# Allegro board SG2042_EVB_V1_1.brd (continued)
## Routing (per net, layer and track width the routed paths; a pad name or vN(x,y) marks a point on that pad's centre or on a via; arc(x,y) is an arc through that point) (continued)
  ART10 w0.406: H16.1 183.69,151.86 177.18,151.86 173.37,148.05 158.64,148.05 149.54,138.95 149.54,134.94 ; 126.41,135.36 126.41,138.95 117.08,148.29 102.34,148.29 99.9,150.73 97.16,150.73
  GND11 w0.254: 198.76,61.71 J2.265 ; J2.265 198.1,62.37 ; J2.265 198.76,63.03 ; J2.265 199.42,62.37 ; 205.96,149.26 J1.24 ; J1.24 205.3,149.92 ; J1.24 205.96,150.58 ; J1.24 206.62,149.92 ; J10.8 227.38,238.48 ; J10.8 226.44,237.54 ; J10.8 228.32,237.54 ; J10.8 227.38,236.6 ; 76.52,81.92 J4.98 ; J4.98 77.84,81.92 ; J4.98 77.18,81.26 ; J4.98 77.18,82.58 ; J10.20 242.62,238.48 ; J10.20 242.62,236.6 ; J10.20 243.56,237.54 ; J10.20 241.68,237.54 ; 76.52,66.62 J4.116 ; J4.116 77.18,65.96 ; J4.116 77.18,67.28 ; J4.116 77.84,66.62 ; 65.52,53.87 J3.131 ; J3.131 66.18,53.21 ; J3.131 66.85,53.87 ; J3.131 66.18,54.53 ; J2.243 198.76,81.73 ; J2.243 198.76,80.41 ; J2.243 198.1,81.07 ; J2.243 199.42,81.07 ; J4.147 80.04,167.77 ; J4.147 79.38,167.11 ; J4.147 78.72,167.77 ; J4.147 79.38,168.43 ; 78.72,81.07 J4.243 ; J4.243 79.38,81.73 ; J4.243 79.38,80.41 ; J4.243 80.04,81.07 ; 299.69,151.97 J13.17 ; J13.17 300.63,151.03 ; J13.17 300.63,152.91 ; J13.17 301.57,151.97 ; J3.120 68.45,63.22 ; J3.120 67.78,62.56 ; J3.120 67.12,63.22 ; J3.120 67.78,63.88 ; 69.32,82.77 J3.241 ; J3.241 70.65,82.77 ; J3.241 69.98,82.11 ; J3.241 69.98,83.43 ; 198.76,163.71 J2.151 ; J2.151 198.1,164.37 ; J2.151 199.42,164.37 ; J2.151 198.76,165.03 ; J2.149 199.42,166.07 ; J2.149 198.76,165.41 ; J2.149 198.1,166.07 ; J2.149 198.76,166.73 ; 200.36,139.06 J2.180 ; J2.180 200.36,140.38 ; J2.180 201.02,139.72 ; J2.180 199.7,139.72 ; J1.193 208.82,128.67 ; J1.193 207.5,128.67 ; J1.193 208.16,128.01 ; J1.193 208.16,129.33 ; 77.18,166.26 J4.4 ; J4.4 76.52,166.92 ; J4.4 77.18,167.58 ; J4.4 77.84,166.92 ; J3.263 69.98,64.73 ; J3.263 69.98,63.41 ; J3.263 69.32,64.07 ; J3.263 70.65,64.07 ; J3.189 70.65,132.07 ; J3.189 69.98,131.41 ; J3.189 69.98,132.73 ; J3.189 69.32,132.07 ; 80.98,142.46 J4.176 ; J4.176 81.64,143.12 ; J4.176 80.98,143.78 ; J4.176 80.32,143.12 ; J4.189 79.38,132.73 ; J4.189 78.72,132.07 ; J4.189 80.04,132.07 ; J4.189 79.38,131.41 ; 203.7,142.27 J1.33 ; J1.33 204.36,141.61 ; J1.33 205.02,142.27 ; J1.33 204.36,142.93 ; J2.120 197.22,63.22 ; J2.120 195.9,63.22 ; J2.120 196.56,63.88 ; J2.120 196.56,62.56 ; ATXPWR1.24 110.82,233.82 ; ATXPWR1.24 109.36,235.28 ; ATXPWR1.24 109.36,232.35 ; ATXPWR1.24 107.9,233.82 ; J2.198 200.36,125.08 ; J2.198 200.36,123.76 ; J2.198 199.7,124.42 ; J2.198 201.02,124.42 ; J3.103 66.18,78.33 ; J3.103 65.52,77.67 ; J3.103 66.18,77.01 ; J3.103 66.85,77.67 ; J2.138 196.56,48.58 ; J2.138 195.9,47.92 ; J2.138 197.22,47.92 ; J2.138 196.56,47.26 ; 128.76,222.61 SW201.2 ; SW201.2 129.54,219.98 ; SW201.2 129.54,225.23 ; SW201.2 130.32,222.61 ; J1.243 208.16,81.73 ; J1.243 208.16,80.41 ; J1.243 207.5,81.07 ; J1.243 208.82,81.07 ; 69.32,128.67 J3.193 ; J3.193 70.65,128.67 ; J3.193 69.98,128.01 ; J3.193 69.98,129.33 ; 196.01,237.54 J11.14 ; J11.14 197.89,237.54 ; J11.14 196.95,238.48 ; J11.14 196.95,236.6 ; 71.58,122.06 J3.200 ; J3.200 72.25,122.72 ; J3.200 70.92,122.72 ; J3.200 71.58,123.38 ; J13.16 299.03,149.43 ; J13.16 298.09,150.37 ; J13.16 298.09,148.49 ; J13.16 297.15,149.43 ; 204.36,139.91 J1.35 ; J1.35 204.36,141.23 ; J1.35 203.7,140.57 ; J1.35 205.02,140.57 ; 196.56,67.66 J2.114 ; J2.114 197.22,68.32 ; J2.114 195.9,68.32 ; J2.114 196.56,68.98 ; J3.2 68.45,168.62 ; J3.2 67.12,168.62 ; J3.2 67.78,167.96 ; J3.2 67.78,169.28 ; J2.53 195.62,125.27 ; J2.53 194.3,125.27 ; J2.53 194.96,125.93 ; J2.53 194.96,124.61 ; J4.109 76.24,72.57 ; J4.109 75.58,71.91 ; J4.109 74.92,72.57 ; J4.109 75.58,73.23 ; J2.147 199.42,167.77 ; J2.147 198.76,167.11 ; J2.147 198.76,168.43 ; J2.147 198.1,167.77 ; J4.261 80.04,65.77 ; J4.261 79.38,65.11 ; J4.261 79.38,66.43 ; J4.261 78.72,65.77 ; J1.162 210.42,155.02 ; J1.162 209.1,155.02 ; J1.162 209.76,154.36 ; J1.162 209.76,155.68 ; J1.241 208.82,82.77 ; J1.241 208.16,82.11 ; J1.241 208.16,83.43 ; J1.241 207.5,82.77 ; 209.76,161.16 J1.154 ; J1.154 210.42,161.82 ; J1.154 209.1,161.82 ; J1.154 209.76,162.48 ; J4.9 76.24,162.67 ; J4.9 75.58,162.01 ; J4.9 75.58,163.33 ; J4.9 74.92,162.67 ; 80.32,75.12 J4.250 ; J4.250 80.98,75.78 ; J4.250 80.98,74.46 ; J4.250 81.64,75.12 ; 67.78,65.96 J3.116 ; J3.116 67.78,67.28 ; J3.116 67.12,66.62 ; J3.116 68.45,66.62 ; J4.274 80.98,55.38 ; J4.274 80.98,54.06 ; J4.274 81.64,54.72 ; J4.274 80.32,54.72 ; 69.98,61.71 J3.265 ; J3.265 69.32,62.37 ; J3.265 70.65,62.37 ; J3.265 69.98,63.03 ; J2.257 199.42,69.17 ; J2.257 198.76,69.83 ; J2.257 198.1,69.17 ; J2.257 198.76,68.51 ; ATXPWR1.19 88.36,235.28 ; ATXPWR1.19 89.82,233.82 ; ATXPWR1.19 86.9,233.82 ; ATXPWR1.19 88.36,232.35 ; J3.24 67.78,150.58 ; J3.24 67.12,149.92 ; J3.24 67.78,149.26 ; J3.24 68.45,149.92 ; J3.125 66.85,58.97 ; J3.125 66.18,58.31 ; J3.125 65.52,58.97 ; J3.125 66.18,59.63 ; J2.276 200.36,53.68 ; J2.276 199.7,53.02 ; J2.276 200.36,52.36 ; J2.276 201.02,53.02 ; J10.14 235,238.48 ; J10.14 235.94,237.54 ; J10.14 234.06,237.54 ; J10.14 235,236.6 ; 67.78,145.86 J3.28 ; J3.28 67.78,147.18 ; J3.28 68.45,146.52 ; J3.28 67.12,146.52 ; J1.22 206.62,151.62 ; J1.22 205.3,151.62 ; J1.22 205.96,150.96 ; J1.22 205.96,152.28 ; 205.96,64.26 J1.118 ; J1.118 205.96,65.58 ; J1.118 206.62,64.92 ; J1.118 205.3,64.92 ; 67.78,147.56 J3.26 ; J3.26 68.45,148.22 ; J3.26 67.78,148.88 ; J3.26 67.12,148.22 ; J4.105 76.24,75.97 ; J4.105 75.58,76.63 ; J4.105 75.58,75.31 ; J4.105 74.92,75.97 ; 71.58,71.06 J3.254 ; J3.254 72.25,71.72 ; J3.254 70.92,71.72 ; J3.254 71.58,72.38 ; 155.4,237.54 156.34,237.54 ; 156.34,237.54 157.28,237.54 ; 156.34,237.54 156.34,236.6 ; 156.34,237.54 156.34,238.48 ; 205.3,165.22 J1.6 ; J1.6 205.96,165.88 ; J1.6 205.96,164.56 ; J1.6 206.62,165.22 ; J2.136 196.56,50.28 ; J2.136 197.22,49.62 ; J2.136 195.9,49.62 ; J2.136 196.56,48.96 ; 236.6,237.54 J10.16 ; J10.16 237.54,238.48 ; J10.16 237.54,236.6 ; J10.16 238.48,237.54 ; 194.3,157.57 J2.15 ; J2.15 195.62,157.57 ; J2.15 194.96,158.23 ; J2.15 194.96,156.91 ; J1.180 210.42,139.72 ; J1.180 209.76,140.38 ; J1.180 209.76,139.06 ; J1.180 209.1,139.72 ; 208.16,61.71 J1.265 ; J1.265 208.16,63.03 ; J1.265 208.82,62.37 ; J1.265 207.5,62.37 ; 80.98,154.36 J4.162 ; J4.162 81.64,155.02 ; J4.162 80.32,155.02 ; J4.162 80.98,155.68 ; J3.50 67.78,128.48 ; J3.50 67.12,127.82 ; J3.50 68.45,127.82 ; J3.50 67.78,127.16 ; J1.283 208.82,47.07 ; J1.283 207.5,47.07 ; J1.283 208.16,47.73 ; J1.283 208.16,46.41 ; J3.257 69.98,69.83 ; J3.257 69.32,69.17 ; J3.257 70.65,69.17 ; J3.257 69.98,68.51 ; J2.187 198.76,134.43 ; J2.187 199.42,133.77 ; J2.187 198.76,133.11 ; J2.187 198.1,133.77 ; J2.191 199.42,130.37 ; J2.191 198.1,130.37 ; J2.191 198.76,129.71 ; J2.191 198.76,131.03 ; 160.48,237.54 J12.16 ; J12.16 161.42,236.6 ; J12.16 161.42,238.48 ; J12.16 162.36,237.54 ; J2007.24 300.69,199.49 ; J2007.24 300.69,197.61 ; J2007.24 299.74,198.55 ; J2007.24 301.63,198.55 ; 198.76,66.81 J2.259 ; J2.259 198.1,67.47 ; J2.259 199.42,67.47 ; J2.259 198.76,68.13 ; J2.107 195.62,74.27 ; J2.107 194.96,73.61 ; J2.107 194.3,74.27 ; J2.107 194.96,74.93 ; 69.32,147.37 J3.171 ; J3.171 69.98,146.71 ; J3.171 70.65,147.37 ; J3.171 69.98,148.03 ; J2.44 197.22,132.92 ; J2.44 196.56,132.26 ; J2.44 195.9,132.92 ; J2.44 196.56,133.58 ; J3.198 72.25,124.42 ; J3.198 70.92,124.42 ; J3.198 71.58,125.08 ; J3.198 71.58,123.76 ; 209.76,137.36 J1.182 ; J1.182 209.1,138.02 ; J1.182 209.76,138.68 ; J1.182 210.42,138.02 ; 65.52,140.57 J3.35 ; J3.35 66.85,140.57 ; J3.35 66.18,141.23 ; J3.35 66.18,139.91 ; 79.38,163.71 J4.151 ; J4.151 78.72,164.37 ; J4.151 80.04,164.37 ; J4.151 79.38,165.03 ; 65.52,121.87 J3.57 ; J3.57 66.18,121.21 ; J3.57 66.18,122.53 ; J3.57 66.85,121.87 ; 74.92,55.57 J4.129 ; J4.129 75.58,56.23 ; J4.129 75.58,54.91 ; J4.129 76.24,55.57 ; 300.69,210.31 J2007.14 ; J2007.14 299.74,211.25 ; J2007.14 301.63,211.25 ; J2007.14 300.69,212.19 ; 77.18,133.96 J4.42 ; J4.42 77.18,135.28 ; J4.42 77.84,134.62 ; J4.42 76.52,134.62 ; 194.3,77.67 J2.103 ; J2.103 194.96,78.33 ; J2.103 194.96,77.01 ; J2.103 195.62,77.67 ; J1.31 205.02,143.97 ; J1.31 204.36,143.31 ; J1.31 204.36,144.63 ; J1.31 203.7,143.97 ; 200.36,74.46 J2.250 ; J2.250 199.7,75.12 ; J2.250 200.36,75.78 ; J2.250 201.02,75.12 ; 67.12,85.32 J3.94 ; J3.94 68.45,85.32 ; J3.94 67.78,85.98 ; J3.94 67.78,84.66 ; 204.36,124.61 J1.53 ; J1.53 203.7,125.27 ; J1.53 204.36,125.93 ; J1.53 205.02,125.27 ; J4.167 80.04,150.77 ; J4.167 78.72,150.77 ; J4.167 79.38,151.43 ; J4.167 79.38,150.11 ; 297.15,144.35 J13.12 ; J13.12 298.09,143.41 ; J13.12 299.03,144.35 ; J13.12 298.09,145.29 ; 67.78,150.96 J3.22 ; J3.22 68.45,151.62 ; J3.22 67.12,151.62 ; J3.22 67.78,152.28 ; J1.160 209.76,157.38 ; J1.160 209.76,156.06 ; J1.160 210.42,156.72 ; J1.160 209.1,156.72 ; J1.134 205.96,51.98 ; J1.134 205.96,50.66 ; J1.134 206.62,51.32 ; J1.134 205.3,51.32 ; 196.56,84.66 J2.94 ; J2.94 196.56,85.98 ; J2.94 195.9,85.32 ; J2.94 197.22,85.32 ; J2.131 195.62,53.87 ; J2.131 194.3,53.87 ; J2.131 194.96,53.21 ; J2.131 194.96,54.53 ; 195.9,134.62 J2.42 ; J2.42 196.56,133.96 ; J2.42 196.56,135.28 ; J2.42 197.22,134.62 ; 74.92,160.97 J4.11 ; J4.11 75.58,161.63 ; J4.11 75.58,160.31 ; J4.11 76.24,160.97 ; 194.3,143.97 J2.31 ; J2.31 194.96,143.31 ; J2.31 195.62,143.97 ; J2.31 194.96,144.63 ; J2.156 200.36,160.78 ; J2.156 201.02,160.12 ; J2.156 200.36,159.46 ; J2.156 199.7,160.12 ; J1.20 206.62,153.32 ; J1.20 205.3,153.32 ; J1.20 205.96,152.66 ; J1.20 205.96,153.98 ; J3.138 68.45,47.92 ; J3.138 67.12,47.92 ; J3.138 67.78,47.26 ; J3.138 67.78,48.58 ; 223.42,209.24 J2014.4 ; J2014.4 222.48,210.19 ; J2014.4 224.36,210.19 ; J2014.4 223.42,211.13 ; J4.169 80.04,149.07 ; J4.169 79.38,148.41 ; J4.169 79.38,149.73 ; J4.169 78.72,149.07 ; 71.58,74.46 J3.250 ; J3.250 70.92,75.12 ; J3.250 71.58,75.78 ; J3.250 72.25,75.12 ; 75.58,139.91 J4.35 ; J4.35 74.92,140.57 ; J4.35 76.24,140.57 ; J4.35 75.58,141.23 ; 203.63,237.54 J11.20 ; J11.20 204.57,238.48 ; J11.20 205.51,237.54 ; J11.20 204.57,236.6 ; 66.18,54.91 J3.129 ; J3.129 65.52,55.57 ; J3.129 66.18,56.23 ; J3.129 66.85,55.57 ; 205.3,168.62 J1.2 ; J1.2 205.96,169.28 ; J1.2 205.96,167.96 ; J1.2 206.62,168.62 ; J3.53 66.18,125.93 ; J3.53 65.52,125.27 ; J3.53 66.85,125.27 ; J3.53 66.18,124.61 ; J3.270 72.25,58.12 ; J3.270 71.58,57.46 ; J3.270 70.92,58.12 ; J3.270 71.58,58.78 ; 79.38,48.11 J4.281 ; J4.281 80.04,48.77 ; J4.281 78.72,48.77 ; J4.281 79.38,49.43 ; J4.193 80.04,128.67 ; J4.193 78.72,128.67 ; J4.193 79.38,129.33 ; J4.193 79.38,128.01 ; J1.98 206.62,81.92 ; J1.98 205.3,81.92 ; J1.98 205.96,82.58 ; J1.98 205.96,81.26 ; 199.7,78.52 J2.246 ; J2.246 201.02,78.52 ; J2.246 200.36,77.86 ; J2.246 200.36,79.18 ; J12.18 163.96,238.48 ; J12.18 164.9,237.54 ; J12.18 163.02,237.54 ; J12.18 163.96,236.6 ; J2.105 194.96,76.63 ; J2.105 194.96,75.31 ; J2.105 194.3,75.97 ; J2.105 195.62,75.97 ; J2020.23 5.18,165.66 ; J2020.23 4.24,166.6 ; J2020.23 3.3,165.66 ; J2020.23 4.24,164.72 ; J1.156 210.42,160.12 ; J1.156 209.76,159.46 ; J1.156 209.76,160.78 ; J1.156 209.1,160.12 ; J3.274 72.25,54.72 ; J3.274 71.58,55.38 ; J3.274 71.58,54.06 ; J3.274 70.92,54.72 ; 80.32,160.12 J4.156 ; J4.156 80.98,159.46 ; J4.156 81.64,160.12 ; J4.156 80.98,160.78 ; 69.32,47.07 J3.283 ; J3.283 69.98,47.73 ; J3.283 70.65,47.07 ; J3.283 69.98,46.41 ; 204.36,160.31 J1.11 ; J1.11 205.02,160.97 ; J1.11 204.36,161.63 ; J1.11 203.7,160.97 ; 300.63,158.65 J13.23 ; J13.23 299.69,159.59 ; J13.23 300.63,160.53 ; J13.23 301.57,159.59 ; J10.12 233.4,237.54 ; J10.12 231.52,237.54 ; J10.12 232.46,236.6 ; J10.12 232.46,238.48 ; 70.92,136.32 J3.184 ; J3.184 72.25,136.32 ; J3.184 71.58,135.66 ; J3.184 71.58,136.98 ; 74.92,138.87 J4.37 ; J4.37 75.58,138.21 ; J4.37 76.24,138.87 ; J4.37 75.58,139.53 ; 200.36,72.76 J2.252 ; J2.252 201.02,73.42 ; J2.252 200.36,74.08 ; J2.252 199.7,73.42 ; J2.28 197.22,146.52 ; J2.28 196.56,147.18 ; J2.28 196.56,145.86 ; J2.28 195.9,146.52 ; 74.92,155.87 J4.17 ; J4.17 75.58,155.21 ; J4.17 76.24,155.87 ; J4.17 75.58,156.53 ; J3.165 70.65,152.47 ; J3.165 69.32,152.47 ; J3.165 69.98,153.13 ; J3.165 69.98,151.81 ; J3.276 71.58,53.68 ; J3.276 72.25,53.02 ; J3.276 70.92,53.02 ; J3.276 71.58,52.36 ; 209.76,142.46 J1.176 ; J1.176 209.1,143.12 ; J1.176 209.76,143.78 ; J1.176 210.42,143.12 ; J4.39 76.24,137.17 ; J4.39 75.58,137.83 ; J4.39 75.58,136.51 ; J4.39 74.92,137.17 ; 186.79,236.6 J11.6 ; J11.6 185.85,237.54 ; J11.6 186.79,238.48 ; J11.6 187.73,237.54 ; 75.58,77.01 J4.103 ; J4.103 74.92,77.67 ; J4.103 75.58,78.33 ; J4.103 76.24,77.67 ; J2.202 201.02,121.02 ; J2.202 200.36,121.68 ; J2.202 200.36,120.36 ; J2.202 199.7,121.02 ; 245.66,164.96 J2016.16 ; J2016.16 246.6,165.9 ; J2016.16 246.6,164.02 ; J2016.16 247.54,164.96 ; 194.96,139.91 J2.35 ; J2.35 194.3,140.57 ; J2.35 194.96,141.23 ; J2.35 195.62,140.57 ; J1.109 205.02,72.57 ; J1.109 204.36,71.91 ; J1.109 204.36,73.23 ; J1.109 203.7,72.57 ; 300.63,153.57 J13.19 ; J13.19 299.69,154.51 ; J13.19 300.63,155.45 ; J13.19 301.57,154.51 ; J2.6 197.22,165.22 ; J2.6 196.56,164.56 ; J2.6 195.9,165.22 ; J2.6 196.56,165.88 ; J1.123 205.02,60.67 ; J1.123 204.36,61.33 ; J1.123 204.36,60.01 ; J1.123 203.7,60.67 ; J4.165 80.04,152.47 ; J4.165 79.38,153.13 ; J4.165 79.38,151.81 ; J4.165 78.72,152.47 ; 207.5,149.07 J1.169 ; J1.169 208.82,149.07 ; J1.169 208.16,149.73 ; J1.169 208.16,148.41 ; 204.36,54.91 J1.129 ; J1.129 205.02,55.57 ; J1.129 204.36,56.23 ; J1.129 203.7,55.57 ; 146.18,237.54 146.18,238.48 ; 146.18,237.54 147.12,237.54 ; 146.18,237.54 146.18,236.6 ; 146.18,237.54 145.24,237.54 ; J3.167 69.98,151.43 ; J3.167 69.98,150.11 ; J3.167 69.32,150.77 ; J3.167 70.65,150.77 ; 196.56,64.26 J2.118 ; J2.118 197.22,64.92 ; J2.118 196.56,65.58 ; J2.118 195.9,64.92 ; J2008.1 178.4,6.35 ; J2008.1 176.34,6.35 ; J2008.1 177.37,7.37 ; J2008.1 177.37,5.32 ; 196.56,149.26 J2.24 ; J2.24 196.56,150.58 ; J2.24 197.22,149.92 ; J2.24 195.9,149.92 ; J3.39 66.85,137.17 ; J3.39 66.18,136.51 ; J3.39 65.52,137.17 ; J3.39 66.18,137.83 ; J2.160 200.36,157.38 ; J2.160 199.7,156.72 ; J2.160 200.36,156.06 ; J2.160 201.02,156.72 ; 200.36,140.76 J2.178 ; J2.178 201.02,141.42 ; J2.178 199.7,141.42 ; J2.178 200.36,142.08 ; J3.149 70.65,166.07 ; J3.149 69.32,166.07 ; J3.149 69.98,165.41 ; J3.149 69.98,166.73 ; 194.41,236.6 J11.12 ; J11.12 195.35,237.54 ; J11.12 193.47,237.54 ; J11.12 194.41,238.48 ; J14.23 298.09,165.99 ; J14.23 299.03,165.05 ; J14.23 298.09,164.11 ; J14.23 297.15,165.05 ; 77.18,64.26 J4.118 ; J4.118 77.18,65.58 ; J4.118 77.84,64.92 ; J4.118 76.52,64.92 ; 67.78,48.96 J3.136 ; J3.136 67.12,49.62 ; J3.136 67.78,50.28 ; J3.136 68.45,49.62 ; J4.283 80.04,47.07 ; J4.283 79.38,47.73 ; J4.283 79.38,46.41 ; J4.283 78.72,47.07 ; J3.160 72.25,156.72 ; J3.160 71.58,156.06 ; J3.160 70.92,156.72 ; J3.160 71.58,157.38 ; J2006.7 260.61,242.37 ; J2006.7 259.2,242.37 ; J2006.7 259.91,241.12 ; J2.274 201.02,54.72 ; J2.274 199.7,54.72 ; J2.274 200.36,54.06 ; J2.274 200.36,55.38 ; J1.250 210.42,75.12 ; J1.250 209.1,75.12 ; J1.250 209.76,75.78 ; J1.250 209.76,74.46 ; 208.16,150.11 J1.167 ; J1.167 207.5,150.77 ; J1.167 208.82,150.77 ; J1.167 208.16,151.43 ; J3.268 71.58,60.48 ; J3.268 72.25,59.82 ; J3.268 71.58,59.16 ; J3.268 70.92,59.82 ; J2007.23 299.09,198.55 ; J2007.23 298.15,199.49 ; J2007.23 297.2,198.55 ; J2007.23 298.15,197.61 ; J4.195 79.38,127.63 ; J4.195 78.72,126.97 ; J4.195 80.04,126.97 ; J4.195 79.38,126.31 ; 79.38,145.01 J4.173 ; J4.173 79.38,146.33 ; J4.173 78.72,145.67 ; J4.173 80.04,145.67 ; J2.248 201.02,76.82 ; J2.248 199.7,76.82 ; J2.248 200.36,77.48 ; J2.248 200.36,76.16 ; J3.96 68.45,83.62 ; J3.96 67.12,83.62 ; J3.96 67.78,84.28 ; J3.96 67.78,82.96 ; J14.24 301.57,165.05 ; J14.24 299.69,165.05 ; J14.24 300.63,164.11 ; J14.24 300.63,165.99 ; J4.15 76.24,157.57 ; J4.15 75.58,158.23 ; J4.15 75.58,156.91 ; J4.15 74.92,157.57 ; J4.241 80.04,82.77 ; J4.241 79.38,83.43 ; J4.241 78.72,82.77 ; J4.241 79.38,82.11 ; 65.52,60.67 J3.123 ; J3.123 66.18,60.01 ; J3.123 66.18,61.33 ; J3.123 66.85,60.67 ; J2.33 194.96,142.93 ; J2.33 194.3,142.27 ; J2.33 194.96,141.61 ; J2.33 195.62,142.27 ; 65.52,143.97 J3.31 ; J3.31 66.18,144.63 ; J3.31 66.85,143.97 ; J3.31 66.18,143.31 ; J4.123 76.24,60.67 ; J4.123 75.58,61.33 ; J4.123 75.58,60.01 ; J4.123 74.92,60.67 ; J1.131 205.02,53.87 ; J1.131 204.36,53.21 ; J1.131 203.7,53.87 ; J1.131 204.36,54.53 ; 276.91,189.51 J2005.2 ; J2005.2 275.97,190.45 ; J2005.2 277.85,190.45 ; J2005.2 276.91,191.39 ; 67.78,67.66 J3.114 ; J3.114 68.45,68.32 ; J3.114 67.12,68.32 ; J3.114 67.78,68.98 ; J2.127 195.62,57.27 ; J2.127 194.3,57.27 ; J2.127 194.96,57.93 ; J2.127 194.96,56.61 ; J1.42 205.96,135.28 ; J1.42 205.3,134.62 ; J1.42 206.62,134.62 ; J1.42 205.96,133.96 ; 189.33,236.6 J11.8 ; J11.8 190.27,237.54 ; J11.8 188.39,237.54 ; J11.8 189.33,238.48 ; 66.18,156.91 J3.15 ; J3.15 66.18,158.23 ; J3.15 65.52,157.57 ; J3.15 66.85,157.57 ; J1.57 205.02,121.87 ; J1.57 204.36,122.53 ; J1.57 204.36,121.21 ; J1.57 203.7,121.87 ; J4.272 81.64,56.42 ; J4.272 80.98,57.08 ; J4.272 80.32,56.42 ; J4.272 80.98,55.76 ; J2.109 194.96,73.23 ; J2.109 195.62,72.57 ; J2.109 194.3,72.57 ; J2.109 194.96,71.91 ; 74.92,125.27 J4.53 ; J4.53 75.58,124.61 ; J4.53 76.24,125.27 ; J4.53 75.58,125.93 ; 77.18,67.66 J4.114 ; J4.114 77.84,68.32 ; J4.114 76.52,68.32 ; J4.114 77.18,68.98 ; 209.76,140.76 J1.178 ; J1.178 209.1,141.42 ; J1.178 210.42,141.42 ; J1.178 209.76,142.08 ; 150.32,237.54 J12.8 ; J12.8 152.2,237.54 ; J12.8 151.26,238.48 ; J12.8 151.26,236.6 ; J2.134 196.56,51.98 ; J2.134 195.9,51.32 ; J2.134 196.56,50.66 ; J2.134 197.22,51.32 ; J10.6 225.78,237.54 ; J10.6 223.9,237.54 ; J10.6 224.84,236.6 ; J10.6 224.84,238.48 ; J3.98 67.78,82.58 ; J3.98 67.12,81.92 ; J3.98 68.45,81.92 ; J3.98 67.78,81.26 ; 80.98,139.06 J4.180 ; J4.180 80.32,139.72 ; J4.180 81.64,139.72 ; J4.180 80.98,140.38 ; 209.1,136.32 J1.184 ; J1.184 209.76,136.98 ; J1.184 210.42,136.32 ; J1.184 209.76,135.66 ; 203.7,123.57 J1.55 ; J1.55 205.02,123.57 ; J1.55 204.36,122.91 ; J1.55 204.36,124.23 ; 204.36,58.31 J1.125 ; J1.125 204.36,59.63 ; J1.125 203.7,58.97 ; J1.125 205.02,58.97 ; J3.20 68.45,153.32 ; J3.20 67.78,152.66 ; J3.20 67.12,153.32 ; J3.20 67.78,153.98 ; J4.191 79.38,131.03 ; J4.191 79.38,129.71 ; J4.191 78.72,130.37 ; J4.191 80.04,130.37 ; 67.12,70.02 J3.112 ; J3.112 68.45,70.02 ; J3.112 67.78,69.36 ; J3.112 67.78,70.68 ; J3.44 68.45,132.92 ; J3.44 67.12,132.92 ; J3.44 67.78,133.58 ; J3.44 67.78,132.26 ; 69.32,67.47 J3.259 ; J3.259 69.98,66.81 ; J3.259 69.98,68.13 ; J3.259 70.65,67.47 ; 183.31,237.54 J11.4 ; J11.4 185.19,237.54 ; J11.4 184.25,236.6 ; J11.4 184.25,238.48 ; J2.263 199.42,64.07 ; J2.263 198.1,64.07 ; J2.263 198.76,64.73 ; J2.263 198.76,63.41 ; 209.76,77.86 J1.246 ; J1.246 209.76,79.18 ; J1.246 210.42,78.52 ; J1.246 209.1,78.52 ; 78.72,147.37 J4.171 ; J4.171 80.04,147.37 ; J4.171 79.38,148.03 ; J4.171 79.38,146.71 ; 204.36,162.01 J1.9 ; J1.9 204.36,163.33 ; J1.9 203.7,162.67 ; J1.9 205.02,162.67 ; 148.72,236.6 J12.6 ; J12.6 147.78,237.54 ; J12.6 148.72,238.48 ; J12.6 149.66,237.54 ; 198.76,65.11 J2.261 ; J2.261 199.42,65.77 ; J2.261 198.76,66.43 ; J2.261 198.1,65.77 ; J3.261 69.98,66.43 ; J3.261 69.32,65.77 ; J3.261 69.98,65.11 ; J3.261 70.65,65.77 ; 207.5,147.37 J1.171 ; J1.171 208.16,146.71 ; J1.171 208.16,148.03 ; J1.171 208.82,147.37 ; 80.32,122.72 J4.200 ; J4.200 80.98,122.06 ; J4.200 80.98,123.38 ; J4.200 81.64,122.72 ; 275.95,242.37 J1103.6 ; J1103.6 276.66,241.12 ; J1103.6 277.36,242.37 ; 66.18,78.71 J3.101 ; J3.101 66.18,80.03 ; J3.101 66.85,79.37 ; J3.101 65.52,79.37 ; 229.66,137.02 J2016.28 ; J2016.28 230.6,136.08 ; J2016.28 230.6,137.96 ; J2016.28 231.54,137.02 ; J2.46 197.22,131.22 ; J2.46 196.56,130.56 ; J2.46 195.9,131.22 ; J2.46 196.56,131.88 ; J13.20 298.09,155.45 ; J13.20 298.09,153.57 ; J13.20 297.15,154.51 ; J13.20 299.03,154.51 ; 70.92,139.72 J3.180 ; J3.180 72.25,139.72 ; J3.180 71.58,140.38 ; J3.180 71.58,139.06 ; 196.56,82.96 J2.96 ; J2.96 197.22,83.62 ; J2.96 196.56,84.28 ; J2.96 195.9,83.62 ; J1.259 208.16,68.13 ; J1.259 208.16,66.81 ; J1.259 208.82,67.47 ; J1.259 207.5,67.47 ; J4.268 81.64,59.82 ; J4.268 80.32,59.82 ; J4.268 80.98,60.48 ; J4.268 80.98,59.16 ; 71.58,137.36 J3.182 ; J3.182 70.92,138.02 ; J3.182 71.58,138.68 ; J3.182 72.25,138.02 ; J4.26 77.18,148.88 ; J4.26 77.84,148.22 ; J4.26 76.52,148.22 ; J4.26 77.18,147.56 ; J1.252 209.76,74.08 ; J1.252 209.1,73.42 ; J1.252 210.42,73.42 ; J1.252 209.76,72.76 ; ATXPWR1.3 71.56,239.48 ; ATXPWR1.3 70.1,238.02 ; ATXPWR1.3 71.56,236.55 ; ATXPWR1.3 73.02,238.02 ; 77.18,149.26 J4.24 ; J4.24 77.18,150.58 ; J4.24 77.84,149.92 ; J4.24 76.52,149.92 ; J3.252 72.25,73.42 ; J3.252 70.92,73.42 ; J3.252 71.58,72.76 ; J3.252 71.58,74.08 ; J1.112 206.62,70.02 ; J1.112 205.96,70.68 ; J1.112 205.3,70.02 ; J1.112 205.96,69.36 ; 203.7,74.27 J1.107 ; J1.107 204.36,74.93 ; J1.107 204.36,73.61 ; J1.107 205.02,74.27 ; 205.96,128.86 J1.48 ; J1.48 205.3,129.52 ; J1.48 205.96,130.18 ; J1.48 206.62,129.52 ; 198.76,145.01 J2.173 ; J2.173 199.42,145.67 ; J2.173 198.1,145.67 ; J2.173 198.76,146.33 ; 194.3,58.97 J2.125 ; J2.125 194.96,58.31 ; J2.125 194.96,59.63 ; J2.125 195.62,58.97 ; J3.173 70.65,145.67 ; J3.173 69.32,145.67 ; J3.173 69.98,145.01 ; J3.173 69.98,146.33 ; 198.76,151.81 J2.165 ; J2.165 198.76,153.13 ; J2.165 198.1,152.47 ; J2.165 199.42,152.47 ; J3.13 66.18,159.93 ; J3.13 66.85,159.27 ; J3.13 66.18,158.61 ; J3.13 65.52,159.27 ; 199.7,59.82 J2.268 ; J2.268 200.36,60.48 ; J2.268 200.36,59.16 ; J2.268 201.02,59.82 ; 205.96,48.96 J1.136 ; J1.136 205.3,49.62 ; J1.136 206.62,49.62 ; J1.136 205.96,50.28 ; J4.138 77.18,48.58 ; J4.138 77.18,47.26 ; J4.138 76.52,47.92 ; J4.138 77.84,47.92 ; 4.24,169.8 J2020.19 ; J2020.19 5.18,170.74 ; J2020.19 3.3,170.74 ; J2020.19 4.24,171.68 ; 67.12,134.62 J3.42 ; J3.42 68.45,134.62 ; J3.42 67.78,133.96 ; J3.42 67.78,135.28 ; J2.123 195.62,60.67 ; J2.123 194.3,60.67 ; J2.123 194.96,60.01 ; J2.123 194.96,61.33 ; J2.20 196.56,153.98 ; J2.20 195.9,153.32 ; J2.20 196.56,152.66 ; J2.20 197.22,153.32 ; 67.78,166.26 J3.4 ; J3.4 68.45,166.92 ; J3.4 67.12,166.92 ; J3.4 67.78,167.58 ; 208.16,126.31 J1.195 ; J1.195 207.5,126.97 ; J1.195 208.82,126.97 ; J1.195 208.16,127.63 ; 198.1,150.77 J2.167 ; J2.167 199.42,150.77 ; J2.167 198.76,151.43 ; J2.167 198.76,150.11 ; 209.76,122.06 J1.200 ; J1.200 209.76,123.38 ; J1.200 210.42,122.72 ; J1.200 209.1,122.72 ; 203.7,75.97 J1.105 ; J1.105 204.36,75.31 ; J1.105 205.02,75.97 ; J1.105 204.36,76.63 ; 209.1,76.82 J1.248 ; J1.248 209.76,76.16 ; J1.248 209.76,77.48 ; J1.248 210.42,76.82 ; J3.239 69.98,85.13 ; J3.239 69.32,84.47 ; J3.239 69.98,83.81 ; J3.239 70.65,84.47 ; 203.7,157.57 J1.15 ; J1.15 204.36,158.23 ; J1.15 205.02,157.57 ; J1.15 204.36,156.91 ; 205.3,127.82 J1.50 ; J1.50 205.96,127.16 ; J1.50 205.96,128.48 ; J1.50 206.62,127.82 ; J10.10 230.86,237.54 ; J10.10 228.98,237.54 ; J10.10 229.92,238.48 ; J10.10 229.92,236.6 ; J1.189 208.82,132.07 ; J1.189 207.5,132.07 ; J1.189 208.16,131.41 ; J1.189 208.16,132.73 ; J1.13 204.36,159.93 ; J1.13 205.02,159.27 ; J1.13 204.36,158.61 ; J1.13 203.7,159.27 ; 78.72,64.07 J4.263 ; J4.263 80.04,64.07 ; J4.263 79.38,64.73 ; J4.263 79.38,63.41 ; J3.281 69.98,49.43 ; J3.281 69.32,48.77 ; J3.281 70.65,48.77 ; J3.281 69.98,48.11 ; J2.200 201.02,122.72 ; J2.200 200.36,122.06 ; J2.200 199.7,122.72 ; J2.200 200.36,123.38 ; J2020.22 6.78,169.14 ; J2020.22 5.84,168.2 ; J2020.22 6.78,167.26 ; J2020.22 7.72,168.2 ; J1.158 210.42,158.42 ; J1.158 209.76,159.08 ; J1.158 209.76,157.76 ; J1.158 209.1,158.42 ; 299.69,157.05 J13.21 ; J13.21 301.57,157.05 ; J13.21 300.63,157.99 ; J13.21 300.63,156.11 ; 209.1,59.82 J1.268 ; J1.268 210.42,59.82 ; J1.268 209.76,59.16 ; J1.268 209.76,60.48 ; J3.246 72.25,78.52 ; J3.246 71.58,79.18 ; J3.246 71.58,77.86 ; J3.246 70.92,78.52 ; J2.11 195.62,160.97 ; J2.11 194.96,161.63 ; J2.11 194.96,160.31 ; J2.11 194.3,160.97 ; 66.18,138.21 J3.37 ; J3.37 65.52,138.87 ; J3.37 66.18,139.53 ; J3.37 66.85,138.87 ; ATXPWR1.17 81.42,233.82 ; ATXPWR1.17 79.96,232.35 ; ATXPWR1.17 78.5,233.82 ; ATXPWR1.17 79.96,235.28 ; J1.202 209.76,121.68 ; J1.202 209.1,121.02 ; J1.202 210.42,121.02 ; J1.202 209.76,120.36 ; 80.32,156.72 J4.160 ; J4.160 80.98,157.38 ; J4.160 80.98,156.06 ; J4.160 81.64,156.72 ; J4.248 81.64,76.82 ; J4.248 80.98,76.16 ; J4.248 80.98,77.48 ; J4.248 80.32,76.82 ; J2.48 197.22,129.52 ; J2.48 196.56,128.86 ; J2.48 195.9,129.52 ; J2.48 196.56,130.18 ; 205.3,132.92 J1.44 ; J1.44 206.62,132.92 ; J1.44 205.96,132.26 ; J1.44 205.96,133.58 ; 196.56,69.36 J2.112 ; J2.112 195.9,70.02 ; J2.112 197.22,70.02 ; J2.112 196.56,70.68 ; J2.4 197.22,166.92 ; J2.4 196.56,167.58 ; J2.4 196.56,166.26 ; J2.4 195.9,166.92 ; J201.4 48.51,196.39 ; J201.4 48.51,194.51 ; J201.4 47.57,195.45 ; J201.4 49.45,195.45 ; 298.15,210.31 J2007.13 ; J2007.13 298.15,212.19 ; J2007.13 297.2,211.25 ; J2007.13 299.09,211.25 ; 196.56,65.96 J2.116 ; J2.116 195.9,66.62 ; J2.116 197.22,66.62 ; J2.116 196.56,67.28 ; J1.263 208.16,64.73 ; J1.263 207.5,64.07 ; J1.263 208.16,63.41 ; J1.263 208.82,64.07 ; J4.136 77.84,49.62 ; J4.136 76.52,49.62 ; J4.136 77.18,48.96 ; J4.136 77.18,50.28 ; 79.38,68.51 J4.257 ; J4.257 80.04,69.17 ; J4.257 79.38,69.83 ; J4.257 78.72,69.17 ; 65.52,74.27 J3.107 ; J3.107 66.18,73.61 ; J3.107 66.18,74.93 ; J3.107 66.85,74.27 ; 67.12,129.52 J3.48 ; J3.48 67.78,130.18 ; J3.48 68.45,129.52 ; J3.48 67.78,128.86 ; 69.98,80.41 J3.243 ; J3.243 69.98,81.73 ; J3.243 69.32,81.07 ; J3.243 70.65,81.07 ; 205.3,66.62 J1.116 ; J1.116 205.96,65.96 ; J1.116 205.96,67.28 ; J1.116 206.62,66.62 ; J11.10 191.87,238.48 ; J11.10 191.87,236.6 ; J11.10 190.93,237.54 ; J11.10 192.81,237.54 ; J3.151 70.65,164.37 ; J3.151 69.98,163.71 ; J3.151 69.98,165.03 ; J3.151 69.32,164.37 ; 84.16,232.35 ATXPWR1.18 ; ATXPWR1.18 84.16,235.28 ; ATXPWR1.18 85.62,233.82 ; ATXPWR1.18 82.7,233.82 ; 67.12,51.32 J3.134 ; J3.134 67.78,51.98 ; J3.134 68.45,51.32 ; J3.134 67.78,50.66 ; 194.3,79.37 J2.101 ; J2.101 195.62,79.37 ; J2.101 194.96,78.71 ; J2.101 194.96,80.03 ; 5.84,170.74 J2020.20 ; J2020.20 7.72,170.74 ; J2020.20 6.78,171.68 ; J2020.20 6.78,169.8 ; J22.7 282.81,242.37 ; J22.7 282.11,241.12 ; J22.7 281.4,242.37 ; J4.252 81.64,73.42 ; J4.252 80.32,73.42 ; J4.252 80.98,74.08 ; J4.252 80.98,72.76 ; 200.36,137.36 J2.182 ; J2.182 201.02,138.02 ; J2.182 199.7,138.02 ; J2.182 200.36,138.68 ; 205.3,131.22 J1.46 ; J1.46 205.96,130.56 ; J1.46 205.96,131.88 ; J1.46 206.62,131.22 ; J4.50 77.18,128.48 ; J4.50 76.52,127.82 ; J4.50 77.84,127.82 ; J4.50 77.18,127.16 ; J2.169 198.76,149.73 ; J2.169 199.42,149.07 ; J2.169 198.1,149.07 ; J2.169 198.76,148.41 ; J14.13 299.03,177.75 ; J14.13 298.09,178.69 ; J14.13 297.15,177.75 ; J14.13 298.09,176.81 ; J3.147 69.98,168.43 ; J3.147 69.32,167.77 ; J3.147 70.65,167.77 ; J3.147 69.98,167.11 ; 74.92,123.57 J4.55 ; J4.55 75.58,124.23 ; J4.55 75.58,122.91 ; J4.55 76.24,123.57 ; 71.56,232.35 ATXPWR1.15 ; ATXPWR1.15 73.02,233.82 ; ATXPWR1.15 71.56,235.28 ; ATXPWR1.15 70.1,233.82 ; 69.98,133.11 J3.187 ; J3.187 69.98,134.43 ; J3.187 70.65,133.77 ; J3.187 69.32,133.77 ; J3.118 67.78,65.58 ; J3.118 68.45,64.92 ; J3.118 67.12,64.92 ; J3.118 67.78,64.26 ; 79.38,83.81 J4.239 ; J4.239 78.72,84.47 ; J4.239 80.04,84.47 ; J4.239 79.38,85.13 ; 204.36,155.21 J1.17 ; J1.17 204.36,156.53 ; J1.17 205.02,155.87 ; J1.17 203.7,155.87 ; 207.5,145.67 J1.173 ; J1.173 208.16,145.01 ; J1.173 208.82,145.67 ; J1.173 208.16,146.33 ; 207.5,166.07 J1.149 ; J1.149 208.82,166.07 ; J1.149 208.16,165.41 ; J1.149 208.16,166.73 ; J4.22 77.18,152.28 ; J4.22 76.52,151.62 ; J4.22 77.84,151.62 ; J4.22 77.18,150.96 ; 207.5,152.47 J1.165 ; J1.165 208.82,152.47 ; J1.165 208.16,153.13 ; J1.165 208.16,151.81 ; 199.7,56.42 J2.272 ; J2.272 201.02,56.42 ; J2.272 200.36,55.76 ; J2.272 200.36,57.08 ; J1.127 204.36,57.93 ; J1.127 205.02,57.27 ; J1.127 204.36,56.61 ; J1.127 203.7,57.27 ; 204.36,136.51 J1.39 ; J1.39 204.36,137.83 ; J1.39 203.7,137.17 ; J1.39 205.02,137.17 ; 76.52,131.22 J4.46 ; J4.46 77.18,130.56 ; J4.46 77.84,131.22 ; J4.46 77.18,131.88 ; J4.134 77.84,51.32 ; J4.134 77.18,51.98 ; J4.134 76.52,51.32 ; J4.134 77.18,50.66 ; J3.191 70.65,130.37 ; J3.191 69.98,129.71 ; J3.191 69.32,130.37 ; J3.191 69.98,131.03 ; 65.52,123.57 J3.55 ; J3.55 66.18,122.91 ; J3.55 66.85,123.57 ; J3.55 66.18,124.23 ; J1.198 210.42,124.42 ; J1.198 209.76,123.76 ; J1.198 209.1,124.42 ; J1.198 209.76,125.08 ; J1.274 209.76,55.38 ; J1.274 209.76,54.06 ; J1.274 210.42,54.72 ; J1.274 209.1,54.72 ; J3.195 70.65,126.97 ; J3.195 69.32,126.97 ; J3.195 69.98,126.31 ; J3.195 69.98,127.63 ; J3.6 68.45,165.22 ; J3.6 67.78,165.88 ; J3.6 67.78,164.56 ; J3.6 67.12,165.22 ; 271.01,241.12 J1103.7 ; J1103.7 271.71,242.37 ; J1103.7 270.3,242.37 ; J2.254 200.36,72.38 ; J2.254 200.36,71.06 ; J2.254 201.02,71.72 ; J2.254 199.7,71.72 ; J2.162 200.36,155.68 ; J2.162 200.36,154.36 ; J2.162 201.02,155.02 ; J2.162 199.7,155.02 ; ATXPWR1.5 81.42,238.02 ; ATXPWR1.5 79.96,239.48 ; ATXPWR1.5 79.96,236.55 ; ATXPWR1.5 78.5,238.02 ; J4.158 81.64,158.42 ; J4.158 80.98,159.08 ; J4.158 80.32,158.42 ; J4.158 80.98,157.76 ; J2.22 196.56,152.28 ; J2.22 195.9,151.62 ; J2.22 196.56,150.96 ; J2.22 197.22,151.62 ; J2020.21 4.24,169.14 ; J2020.21 5.18,168.2 ; J2020.21 4.24,167.26 ; J2020.21 3.3,168.2 ; J4.202 81.64,121.02 ; J4.202 80.32,121.02 ; J4.202 80.98,121.68 ; J4.202 80.98,120.36 ; 207.5,69.17 J1.257 ; J1.257 208.82,69.17 ; J1.257 208.16,68.51 ; J1.257 208.16,69.83 ; J2.193 199.42,128.67 ; J2.193 198.76,128.01 ; J2.193 198.76,129.33 ; J2.193 198.1,128.67 ; 65.52,162.67 J3.9 ; J3.9 66.18,163.33 ; J3.9 66.85,162.67 ; J3.9 66.18,162.01 ; J1.114 205.96,68.98 ; J1.114 206.62,68.32 ; J1.114 205.96,67.66 ; J1.114 205.3,68.32 ; 222.3,236.6 J10.4 ; J10.4 222.3,238.48 ; J10.4 223.24,237.54 ; J10.4 221.36,237.54 ; 78.72,133.77 J4.187 ; J4.187 79.38,133.11 ; J4.187 80.04,133.77 ; J4.187 79.38,134.43 ; J3.109 66.18,73.23 ; J3.109 66.85,72.57 ; J3.109 66.18,71.91 ; J3.109 65.52,72.57 ; J1.239 208.82,84.47 ; J1.239 207.5,84.47 ; J1.239 208.16,83.81 ; J1.239 208.16,85.13 ; 80.98,57.46 J4.270 ; J4.270 81.64,58.12 ; J4.270 80.98,58.78 ; J4.270 80.32,58.12 ; J4.112 77.84,70.02 ; J4.112 77.18,70.68 ; J4.112 76.52,70.02 ; J4.112 77.18,69.36 ; 204.36,78.71 J1.101 ; J1.101 203.7,79.37 ; J1.101 204.36,80.03 ; J1.101 205.02,79.37 ; J4.120 77.84,63.22 ; J4.120 77.18,63.88 ; J4.120 77.18,62.56 ; J4.120 76.52,63.22 ; 158.88,236.6 J12.14 ; J12.14 157.94,237.54 ; J12.14 159.82,237.54 ; J12.14 158.88,238.48 ; 74.92,53.87 J4.131 ; J4.131 75.58,54.53 ; J4.131 75.58,53.21 ; J4.131 76.24,53.87 ; 74.92,159.27 J4.13 ; J4.13 75.58,158.61 ; J4.13 76.24,159.27 ; J4.13 75.58,159.93 ; 80.32,71.72 J4.254 ; J4.254 81.64,71.72 ; J4.254 80.98,71.06 ; J4.254 80.98,72.38 ; J4.57 75.58,122.53 ; J4.57 74.92,121.87 ; J4.57 76.24,121.87 ; J4.57 75.58,121.21 ; 198.76,131.41 J2.189 ; J2.189 198.76,132.73 ; J2.189 198.1,132.07 ; J2.189 199.42,132.07 ; J4.28 77.84,146.52 ; J4.28 77.18,145.86 ; J4.28 77.18,147.18 ; J4.28 76.52,146.52 ; J2.9 195.62,162.67 ; J2.9 194.3,162.67 ; J2.9 194.96,162.01 ; J2.9 194.96,163.33 ; 298.09,151.03 J13.18 ; J13.18 299.03,151.97 ; J13.18 297.15,151.97 ; J13.18 298.09,152.91 ; J1.103 205.02,77.67 ; J1.103 204.36,77.01 ; J1.103 203.7,77.67 ; J1.103 204.36,78.33 ; 71.58,140.76 J3.178 ; J3.178 71.58,142.08 ; J3.178 70.92,141.42 ; J3.178 72.25,141.42 ; 198.1,48.77 J2.281 ; J2.281 199.42,48.77 ; J2.281 198.76,49.43 ; J2.281 198.76,48.11 ; 198.1,50.47 J2.279 ; J2.279 198.76,51.13 ; J2.279 199.42,50.47 ; J2.279 198.76,49.81 ; J2.129 195.62,55.57 ; J2.129 194.96,54.91 ; J2.129 194.96,56.23 ; J2.129 194.3,55.57 ; 200.36,142.46 J2.176 ; J2.176 201.02,143.12 ; J2.176 199.7,143.12 ; J2.176 200.36,143.78 ; 298.09,179.35 J14.11 ; J14.11 297.15,180.29 ; J14.11 298.09,181.23 ; J14.11 299.03,180.29 ; J1.138 205.96,48.58 ; J1.138 206.62,47.92 ; J1.138 205.96,47.26 ; J1.138 205.3,47.92 ; 78.72,166.07 J4.149 ; J4.149 79.38,166.73 ; J4.149 80.04,166.07 ; J4.149 79.38,165.41 ; 4.24,159.26 J17.24 ; J17.24 3.3,160.2 ; J17.24 5.18,160.2 ; J17.24 4.24,161.14 ; 196.56,147.56 J2.26 ; J2.26 196.56,148.88 ; J2.26 195.9,148.22 ; J2.26 197.22,148.22 ; 195.9,168.62 J2.2 ; J2.2 197.22,168.62 ; J2.2 196.56,169.28 ; J2.2 196.56,167.96 ; J4.276 81.64,53.02 ; J4.276 80.32,53.02 ; J4.276 80.98,52.36 ; J4.276 80.98,53.68 ; 194.3,159.27 J2.13 ; J2.13 194.96,